# Altium PCB AD9361_EXT.PcbDoc (part 7 of 9) (continued)
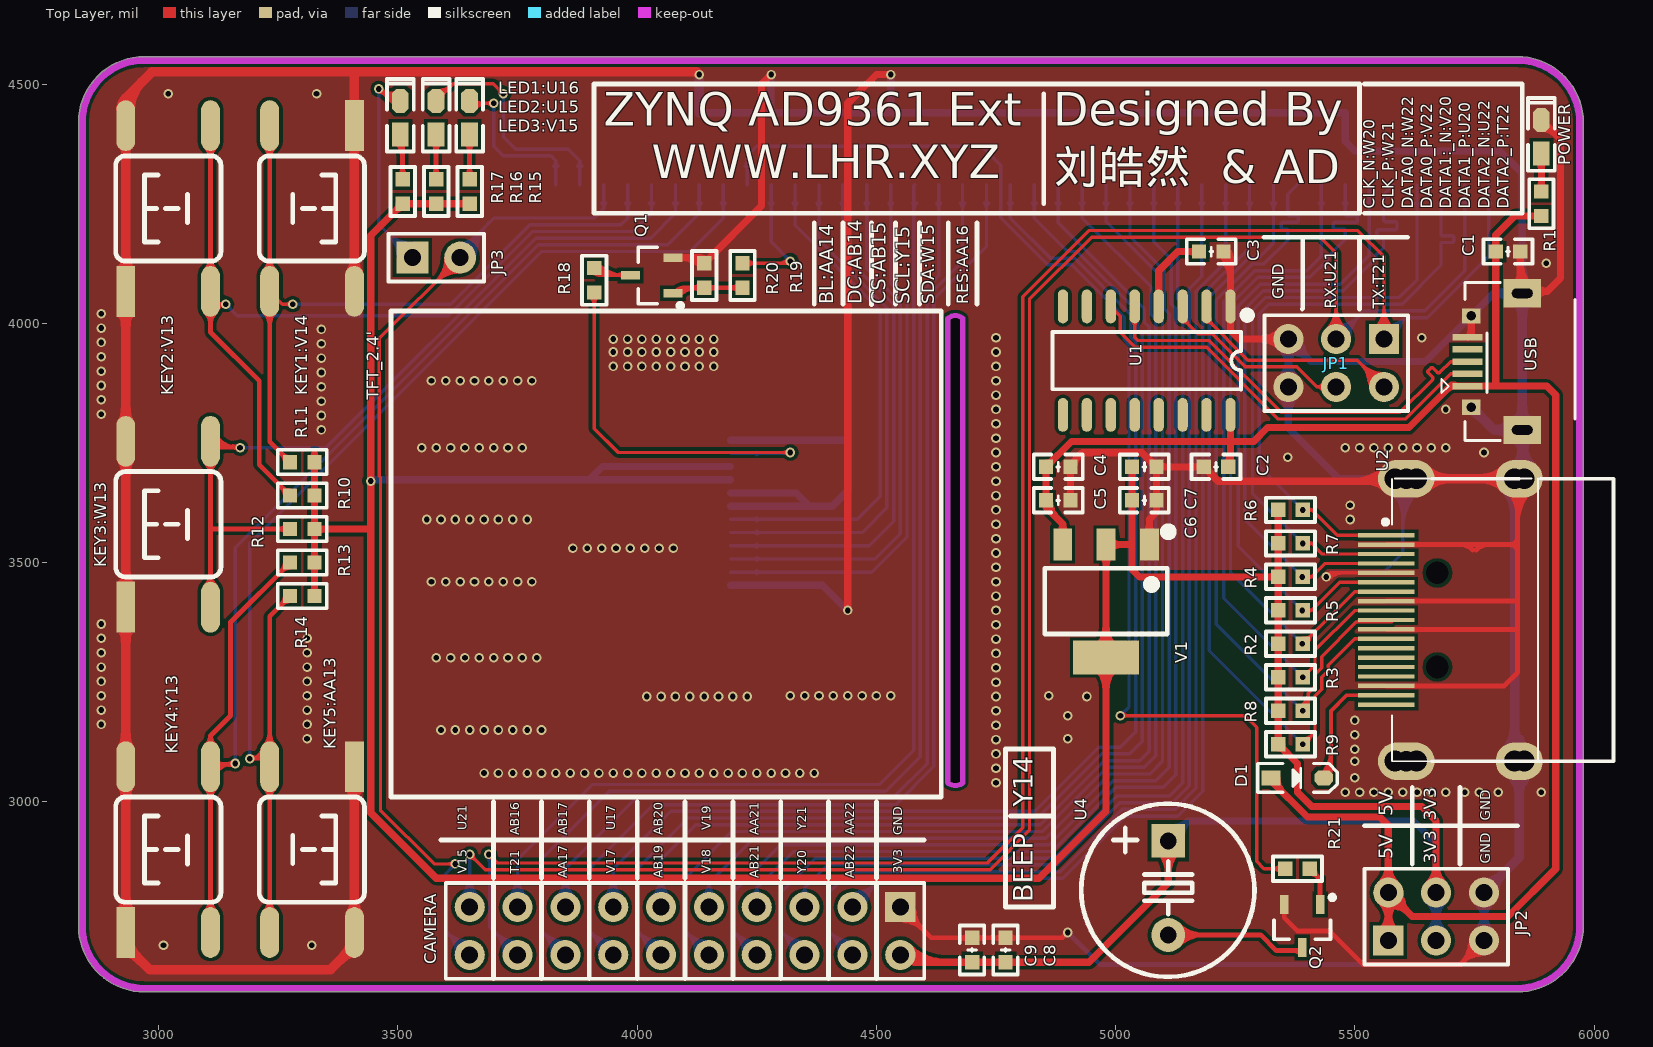
[diagram p0: Top Layer view]
## Nets (pads, with @x,y where several pads share a name; then routed paths per layer and width w, separated by ;. In a path a pad name is that pad's centre, name@x,y a point inside that pad or via, vN(x,y) a via of type N, cw(c..) or ccw(c..) an arc to the next point about the centre after c; other vN are vias at no path point) (continued)
  Top Layer w10: KEY3:W13.2@3108.17,3406.77 3108.17,3570 ; KEY3:W13.2@3108.17,3747.47 cw(c3132.53,3747.47) KEY3:W13.2@3115.3,3764.7 ; KEY3:W13.2@3108.17,3753.23 3108.17,3570 ; R12.1@3274.41,3570 3108.17,3570 ; KEY3:W13.2@3097.78,3450.62 ccw(c3072.71,3475.69) 3108.17,3475.69 ; KEY3:W13.2@3097.78,3450.62 ccw(c3072.71,3475.69) 3108.17,3475.69 ; KEY3:W13.2@3097.78,3450.62 ccw(c3072.71,3475.69) 3108.17,3475.69 ; KEY3:W13.2@3097.78,3450.62 ccw(c3072.71,3475.69) 3108.17,3475.69 ; KEY3:W13.2@3097.78,3709.38 cw(c3072.71,3684.31) 3108.17,3684.31 ; KEY3:W13.2@3097.78,3709.38 cw(c3072.71,3684.31) 3108.17,3684.31 ; KEY3:W13.2@3097.78,3709.38 cw(c3072.71,3684.31) 3108.17,3684.31 ; KEY3:W13.2@3097.78,3709.38 cw(c3072.71,3684.31) 3108.17,3684.31 ; KEY3:W13.2@3104.7,3764.7 cw(c3096.32,3756.32) KEY3:W13.2@3108.17,3756.32 ; KEY3:W13.2@3104.7,3764.7 cw(c3096.32,3756.32) KEY3:W13.2@3108.17,3756.32 ; KEY3:W13.2@3104.7,3764.7 cw(c3096.32,3756.32) KEY3:W13.2@3108.17,3756.32 ; KEY3:W13.2@3104.7,3764.7 cw(c3096.32,3756.32) KEY3:W13.2@3108.17,3756.32 ; 3108.17,3475.69 ccw(c3143.62,3475.69) KEY3:W13.2@3118.55,3450.62 ; 3108.17,3475.69 ccw(c3143.62,3475.69) KEY3:W13.2@3118.55,3450.62 ; 3108.17,3475.69 ccw(c3143.62,3475.69) KEY3:W13.2@3118.55,3450.62 ; 3108.17,3475.69 ccw(c3143.62,3475.69) KEY3:W13.2@3118.55,3450.62 ; 3108.17,3684.31 cw(c3143.62,3684.31) KEY3:W13.2@3118.55,3709.38 ; 3108.17,3684.31 cw(c3143.62,3684.31) KEY3:W13.2@3118.55,3709.38 ; 3108.17,3684.31 cw(c3143.62,3684.31) KEY3:W13.2@3118.55,3709.38 ; 3108.17,3684.31 cw(c3143.62,3684.31) KEY3:W13.2@3118.55,3709.38 ; 3250.26,3570 cw(c3250.26,3545.85) R12.1@3267.34,3562.93 ; 3250.26,3570 ccw(c3250.26,3594.14) R12.1@3267.34,3577.07 ; 3250.26,3570 cw(c3250.26,3545.85) R12.1@3267.34,3562.93 ; 3250.26,3570 ccw(c3250.26,3594.14) R12.1@3267.34,3577.07 ; 3250.26,3570 cw(c3250.26,3545.85) R12.1@3267.34,3562.93 ; 3250.26,3570 ccw(c3250.26,3594.14) R12.1@3267.34,3577.07 ; 3250.26,3570 cw(c3250.26,3545.85) R12.1@3267.34,3562.93 ; 3250.26,3570 ccw(c3250.26,3594.14) R12.1@3267.34,3577.07 ; 3250.26,3570 cw(c3250.26,3545.85) R12.1@3267.34,3562.93 ; 3250.26,3570 ccw(c3250.26,3594.14) R12.1@3267.34,3577.07 ; 3250.26,3570 cw(c3250.26,3545.85) R12.1@3267.34,3562.93 ; 3250.26,3570 ccw(c3250.26,3594.14) R12.1@3267.34,3577.07 ; KEY3:W13.2@3108.17,3753.13 cw(c3120.58,3753.13) 3113.99,3763.65 ccw(c3120.58,3753.13) KEY3:W13.2@3108.17,3753.13
  Bottom Layer w7: v1(3170,3740) 3349.6,3740 3787.6,4178 4028,4178 4080,4230 P1.12@4080,4290 ; v1@3174.6,3735.4 cw(c3185.69,3724.31) 3185.69,3740 ; v1@3174.6,3735.4 cw(c3185.69,3724.31) 3185.69,3740 ; v1@3174.6,3735.4 cw(c3185.69,3724.31) 3185.69,3740 ; v1@3174.6,3735.4 cw(c3185.69,3724.31) 3185.69,3740 ; v1@3174.6,3744.6 ccw(c3185.69,3755.69) 3185.69,3740 ; v1@3174.6,3744.6 ccw(c3185.69,3755.69) 3185.69,3740 ; v1@3174.6,3744.6 ccw(c3185.69,3755.69) 3185.69,3740 ; v1@3174.6,3744.6 ccw(c3185.69,3755.69) 3185.69,3740 ; P1.12@4075.52,4251.66 cw(c4064.69,4240.83) 4080,4240.83 ; P1.12@4075.52,4251.66 cw(c4064.69,4240.83) 4080,4240.83 ; P1.12@4075.52,4251.66 cw(c4064.69,4240.83) 4080,4240.83 ; P1.12@4075.52,4251.66 cw(c4064.69,4240.83) 4080,4240.83 ; 4080,4240.83 cw(c4095.31,4240.83) P1.12@4084.48,4251.66 ; 4080,4240.83 cw(c4095.31,4240.83) P1.12@4084.48,4251.66 ; 4080,4240.83 cw(c4095.31,4240.83) P1.12@4084.48,4251.66 ; 4080,4240.83 cw(c4095.31,4240.83) P1.12@4084.48,4251.66
KEY4: KEY4:Y13.2 P1.14 R13.1 | length 4534.7
  Top Layer w7: KEY4:Y13.2@3108.57,3080 v1(3160,3080) ; KEY4:Y13.2@3109.79,3071.76 cw(c3128.39,3054.88) 3128.39,3080 ; KEY4:Y13.2@3109.79,3071.76 cw(c3128.39,3054.88) 3128.39,3080 ; KEY4:Y13.2@3109.79,3071.76 cw(c3128.39,3054.88) 3128.39,3080 ; KEY4:Y13.2@3109.79,3071.76 cw(c3128.39,3054.88) 3128.39,3080 ; KEY4:Y13.2@3114.97,3067.06 cw(c3144.19,3040.54) 3144.19,3080 ; KEY4:Y13.2@3114.97,3067.06 cw(c3144.19,3040.54) 3144.19,3080 ; KEY4:Y13.2@3114.97,3067.06 cw(c3144.19,3040.54) 3144.19,3080 ; KEY4:Y13.2@3114.97,3067.06 cw(c3144.19,3040.54) 3144.19,3080 ; KEY4:Y13.2@3119.61,3084.67 ccw(c3130.89,3095.95) 3130.89,3080 ; KEY4:Y13.2@3119.61,3084.67 ccw(c3130.89,3095.95) 3130.89,3080 ; KEY4:Y13.2@3119.61,3084.67 ccw(c3130.89,3095.95) 3130.89,3080 ; KEY4:Y13.2@3119.61,3084.67 ccw(c3130.89,3095.95) 3130.89,3080 ; KEY4:Y13.2@3120.15,3062.35 cw(c3160,3026.2) v1(3160,3080) ; KEY4:Y13.2@3120.15,3062.35 cw(c3160,3026.2) v1(3160,3080) ; KEY4:Y13.2@3120.15,3062.35 cw(c3160,3026.2) v1(3160,3080) ; KEY4:Y13.2@3120.15,3062.35 cw(c3160,3026.2) v1(3160,3080) ; 3144.31,3080 cw(c3144.31,3064.31) v1@3155.4,3075.4 ; 3144.31,3080 ccw(c3144.31,3095.69) v1@3155.4,3084.6 ; 3144.31,3080 cw(c3144.31,3064.31) v1@3155.4,3075.4 ; 3144.31,3080 ccw(c3144.31,3095.69) v1@3155.4,3084.6 ; 3144.31,3080 cw(c3144.31,3064.31) v1@3155.4,3075.4 ; 3144.31,3080 ccw(c3144.31,3095.69) v1@3155.4,3084.6 ; 3144.31,3080 cw(c3144.31,3064.31) v1@3155.4,3075.4 ; 3144.31,3080 ccw(c3144.31,3095.69) v1@3155.4,3084.6 ; 3144.84,3075.94 cw(c3148.9,3060.78) v1@3156.75,3074.37 ; 3144.84,3075.94 ccw(c3140.78,3091.09) v1@3154.37,3083.25 ; 3144.84,3075.94 cw(c3148.9,3060.78) v1@3156.75,3074.37 ; 3144.84,3075.94 ccw(c3140.78,3091.09) v1@3154.37,3083.25 ; 3144.84,3075.94 cw(c3148.9,3060.78) v1@3156.75,3074.37 ; 3144.84,3075.94 ccw(c3140.78,3091.09) v1@3154.37,3083.25 ; 3144.84,3075.94 cw(c3148.9,3060.78) v1@3156.75,3074.37 ; 3144.84,3075.94 ccw(c3140.78,3091.09) v1@3154.37,3083.25 ; 3144.84,3075.94 cw(c3148.9,3060.78) v1@3156.75,3074.37 ; 3144.84,3075.94 ccw(c3140.78,3091.09) v1@3154.37,3083.25 ; 3144.84,3075.94 cw(c3148.9,3060.78) v1@3156.75,3074.37 ; 3144.84,3075.94 ccw(c3140.78,3091.09) v1@3154.37,3083.25 ; 3144.84,3075.94 cw(c3148.9,3060.78) v1@3156.75,3074.37 ; 3144.84,3075.94 ccw(c3140.78,3091.09) v1@3154.37,3083.25 ; 3144.84,3075.94 cw(c3148.9,3060.78) v1@3156.75,3074.37 ; 3144.84,3075.94 ccw(c3140.78,3091.09) v1@3154.37,3083.25 ; 3144.84,3075.94 cw(c3148.9,3060.78) v1@3156.75,3074.37 ; 3144.84,3075.94 ccw(c3140.78,3091.09) v1@3154.37,3083.25 ; 3144.84,3075.94 cw(c3148.9,3060.78) v1@3156.75,3074.37 ; 3144.84,3075.94 ccw(c3140.78,3091.09) v1@3154.37,3083.25
  Top Layer w10: KEY4:Y13.2@3104.7,3094.7 cw(c3096.32,3086.32) KEY4:Y13.2@3108.17,3086.32 ; KEY4:Y13.2@3108.17,2726.77 KEY4:Y13.2@3108.17,3073.23 3108.17,3138.17 ; R13.1@3274.41,3500 3150,3375.59 3150,3180 3108.17,3138.17 ; KEY4:Y13.2@3097.78,2770.62 ccw(c3072.71,2795.69) 3108.17,2795.69 ; KEY4:Y13.2@3097.78,2770.62 ccw(c3072.71,2795.69) 3108.17,2795.69 ; KEY4:Y13.2@3097.78,2770.62 ccw(c3072.71,2795.69) 3108.17,2795.69 ; KEY4:Y13.2@3097.78,2770.62 ccw(c3072.71,2795.69) 3108.17,2795.69 ; KEY4:Y13.2@3097.78,3029.38 cw(c3072.71,3004.31) 3108.17,3004.31 ; KEY4:Y13.2@3097.78,3029.38 cw(c3072.71,3004.31) 3108.17,3004.31 ; KEY4:Y13.2@3097.78,3029.38 cw(c3072.71,3004.31) 3108.17,3004.31 ; KEY4:Y13.2@3097.78,3029.38 cw(c3072.71,3004.31) 3108.17,3004.31 ; KEY4:Y13.2@3098.73,3117.95 ccw(c3081.78,3138.17) 3108.17,3138.17 ; KEY4:Y13.2@3098.73,3117.95 ccw(c3081.78,3138.17) 3108.17,3138.17 ; KEY4:Y13.2@3098.73,3117.95 ccw(c3081.78,3138.17) 3108.17,3138.17 ; KEY4:Y13.2@3098.73,3117.95 ccw(c3081.78,3138.17) 3108.17,3138.17 ; 3108.17,2795.69 ccw(c3143.62,2795.69) KEY4:Y13.2@3118.55,2770.62 ; 3108.17,2795.69 ccw(c3143.62,2795.69) KEY4:Y13.2@3118.55,2770.62 ; 3108.17,2795.69 ccw(c3143.62,2795.69) KEY4:Y13.2@3118.55,2770.62 ; 3108.17,2795.69 ccw(c3143.62,2795.69) KEY4:Y13.2@3118.55,2770.62 ; 3108.17,3004.31 cw(c3143.62,3004.31) KEY4:Y13.2@3118.55,3029.38 ; 3108.17,3004.31 cw(c3143.62,3004.31) KEY4:Y13.2@3118.55,3029.38 ; 3108.17,3004.31 cw(c3143.62,3004.31) KEY4:Y13.2@3118.55,3029.38 ; 3108.17,3004.31 cw(c3143.62,3004.31) KEY4:Y13.2@3118.55,3029.38 ; 3108.17,3138.17 ccw(c3134.55,3138.17) KEY4:Y13.2@3117.6,3117.95 ; 3108.17,3138.17 ccw(c3134.55,3138.17) KEY4:Y13.2@3117.6,3117.95 ; 3108.17,3138.17 ccw(c3134.55,3138.17) KEY4:Y13.2@3117.6,3117.95 ; 3108.17,3138.17 ccw(c3134.55,3138.17) KEY4:Y13.2@3117.6,3117.95 ; 3257.34,3482.93 cw(c3274.41,3465.85) R13.1@3274.41,3490 ; 3257.34,3482.93 ccw(c3240.26,3500) R13.1@3264.41,3500 ; 3257.34,3482.93 cw(c3274.41,3465.85) R13.1@3274.41,3490 ; 3257.34,3482.93 ccw(c3240.26,3500) R13.1@3264.41,3500 ; 3257.34,3482.93 cw(c3274.41,3465.85) R13.1@3274.41,3490 ; 3257.34,3482.93 ccw(c3240.26,3500) R13.1@3264.41,3500 ; 3257.34,3482.93 cw(c3274.41,3465.85) R13.1@3274.41,3490 ; 3257.34,3482.93 ccw(c3240.26,3500) R13.1@3264.41,3500 ; KEY4:Y13.2@3104.7,3105.3 ccw(c3096.32,3113.68) 3108.17,3113.68 cw(c3096.32,3113.68) KEY4:Y13.2@3104.7,3105.3 ; KEY4:Y13.2@3108.17,3077.47 cw(c3132.53,3077.47) 3115.3,3094.7 ccw(c3132.53,3077.47) KEY4:Y13.2@3108.17,3077.47 ; KEY4:Y13.2@3108.17,3122.53 ccw(c3132.53,3122.53) 3115.3,3105.3 cw(c3132.53,3122.53) KEY4:Y13.2@3108.17,3122.53
  Bottom Layer w7: v1(3160,3080) 3160,3530.6 3793.4,4164 4064,4164 4130,4230 P1.14@4130,4290 ; v1@3155.4,3084.6 ccw(c3144.31,3095.69) 3160,3095.69 ; v1@3155.4,3084.6 ccw(c3144.31,3095.69) 3160,3095.69 ; v1@3155.4,3084.6 ccw(c3144.31,3095.69) 3160,3095.69 ; v1@3155.4,3084.6 ccw(c3144.31,3095.69) 3160,3095.69 ; 3160,3095.69 ccw(c3175.69,3095.69) v1@3164.6,3084.6 ; 3160,3095.69 ccw(c3175.69,3095.69) v1@3164.6,3084.6 ; 3160,3095.69 ccw(c3175.69,3095.69) v1@3164.6,3084.6 ; 3160,3095.69 ccw(c3175.69,3095.69) v1@3164.6,3084.6 ; P1.14@4125.52,4251.66 cw(c4114.69,4240.83) 4130,4240.83 ; P1.14@4125.52,4251.66 cw(c4114.69,4240.83) 4130,4240.83 ; P1.14@4125.52,4251.66 cw(c4114.69,4240.83) 4130,4240.83 ; P1.14@4125.52,4251.66 cw(c4114.69,4240.83) 4130,4240.83 ; 4130,4240.83 cw(c4145.31,4240.83) P1.14@4134.48,4251.66 ; 4130,4240.83 cw(c4145.31,4240.83) P1.14@4134.48,4251.66 ; 4130,4240.83 cw(c4145.31,4240.83) P1.14@4134.48,4251.66 ; 4130,4240.83 cw(c4145.31,4240.83) P1.14@4134.48,4251.66
KEY5: KEY5:AA13.2 P1.16 R14.1 | length 4712.2
  Top Layer w7: KEY5:AA13.2@3229.36,3090 v1(3190,3090) ; v1(3190,3090) ccw(c3190,3116.87) KEY5:AA13.2@3216.11,3110.52 ; v1(3190,3090) ccw(c3190,3116.87) KEY5:AA13.2@3216.11,3110.52 ; v1(3190,3090) ccw(c3190,3116.87) KEY5:AA13.2@3216.11,3110.52 ; v1(3190,3090) ccw(c3190,3116.87) KEY5:AA13.2@3216.11,3110.52 ; v1@3193.74,3095.32 ccw(c3200.42,3104.83) 3203.43,3093.6 ; v1@3193.74,3095.32 ccw(c3200.42,3104.83) 3203.43,3093.6 ; v1@3193.74,3095.32 ccw(c3200.42,3104.83) 3203.43,3093.6 ; v1@3193.74,3095.32 ccw(c3200.42,3104.83) 3203.43,3093.6 ; v1@3193.74,3095.32 ccw(c3200.42,3104.83) 3203.43,3093.6 ; v1@3193.74,3095.32 ccw(c3200.42,3104.83) 3203.43,3093.6 ; v1@3193.74,3095.32 ccw(c3200.42,3104.83) 3203.43,3093.6 ; v1@3193.74,3095.32 ccw(c3200.42,3104.83) 3203.43,3093.6 ; v1@3193.74,3095.32 ccw(c3200.42,3104.83) 3203.43,3093.6 ; v1@3193.74,3095.32 ccw(c3200.42,3104.83) 3203.43,3093.6 ; v1@3194.06,3095.07 ccw(c3203.5,3106.85) 3207.4,3092.28 ; v1@3194.06,3095.07 ccw(c3203.5,3106.85) 3207.4,3092.28 ; v1@3194.06,3095.07 ccw(c3203.5,3106.85) 3207.4,3092.28 ; v1@3194.06,3095.07 ccw(c3203.5,3106.85) 3207.4,3092.28 ; v1@3194.06,3095.07 ccw(c3203.5,3106.85) 3207.4,3092.28 ; v1@3194.06,3095.07 ccw(c3203.5,3106.85) 3207.4,3092.28 ; v1@3194.06,3095.07 ccw(c3203.5,3106.85) 3207.4,3092.28 ; v1@3194.06,3095.07 ccw(c3203.5,3106.85) 3207.4,3092.28 ; v1@3194.06,3095.07 ccw(c3203.5,3106.85) 3207.4,3092.28 ; v1@3194.06,3095.07 ccw(c3203.5,3106.85) 3207.4,3092.28 ; v1@3194.6,3085.4 cw(c3205.69,3074.31) 3205.69,3090 ; v1@3194.6,3085.4 cw(c3205.69,3074.31) 3205.69,3090 ; v1@3194.6,3085.4 cw(c3205.69,3074.31) 3205.69,3090 ; v1@3194.6,3085.4 cw(c3205.69,3074.31) 3205.69,3090 ; v1@3194.6,3094.6 ccw(c3205.69,3105.69) 3205.69,3090 ; v1@3194.6,3094.6 ccw(c3205.69,3105.69) 3205.69,3090 ; v1@3194.6,3094.6 ccw(c3205.69,3105.69) 3205.69,3090 ; v1@3194.6,3094.6 ccw(c3205.69,3105.69) 3205.69,3090 ; v1@3195.63,3086.75 cw(c3202.4,3082.84) 3200.38,3090.39 ; v1@3195.63,3086.75 cw(c3202.4,3082.84) 3200.38,3090.39 ; v1@3195.63,3086.75 cw(c3202.4,3082.84) 3200.38,3090.39 ; v1@3195.63,3086.75 cw(c3202.4,3082.84) 3200.38,3090.39 ; v1@3195.63,3086.75 cw(c3202.4,3082.84) 3200.38,3090.39 ; v1@3195.63,3086.75 cw(c3202.4,3082.84) 3200.38,3090.39 ; v1@3195.63,3086.75 cw(c3202.4,3082.84) 3200.38,3090.39 ; v1@3195.63,3086.75 cw(c3202.4,3082.84) 3200.38,3090.39 ; v1@3195.63,3086.75 cw(c3202.4,3082.84) 3200.38,3090.39 ; v1@3195.63,3086.75 cw(c3202.4,3082.84) 3200.38,3090.39 ; v1@3195.9,3087.26 cw(c3206.44,3082.37) 3203.43,3093.6 ; v1@3195.9,3087.26 cw(c3206.44,3082.37) 3203.43,3093.6 ; v1@3195.9,3087.26 cw(c3206.44,3082.37) 3203.43,3093.6 ; v1@3195.9,3087.26 cw(c3206.44,3082.37) 3203.43,3093.6 ; v1@3195.9,3087.26 cw(c3206.44,3082.37) 3203.43,3093.6 ; v1@3195.9,3087.26 cw(c3206.44,3082.37) 3203.43,3093.6 ; v1@3195.9,3087.26 cw(c3206.44,3082.37) 3203.43,3093.6 ; v1@3195.9,3087.26 cw(c3206.44,3082.37) 3203.43,3093.6 ; v1@3195.9,3087.26 cw(c3206.44,3082.37) 3203.43,3093.6 ; v1@3195.9,3087.26 cw(c3206.44,3082.37) 3203.43,3093.6 ; v1@3198.91,3090 ccw(c3198.91,3114.7) KEY5:AA13.2@3222.91,3108.86 ; v1@3198.91,3090 ccw(c3198.91,3114.7) KEY5:AA13.2@3222.91,3108.86 ; v1@3198.91,3090 ccw(c3198.91,3114.7) KEY5:AA13.2@3222.91,3108.86 ; v1@3198.91,3090 ccw(c3198.91,3114.7) KEY5:AA13.2@3222.91,3108.86 ; 3207.81,3090 ccw(c3207.81,3112.53) KEY5:AA13.2@3229.71,3107.21 ; 3207.81,3090 ccw(c3207.81,3112.53) KEY5:AA13.2@3229.71,3107.21 ; 3207.81,3090 ccw(c3207.81,3112.53) KEY5:AA13.2@3229.71,3107.21 ; 3207.81,3090 ccw(c3207.81,3112.53) KEY5:AA13.2@3229.71,3107.21 ; KEY5:AA13.2@3214.4,3091.76 ccw(c3208.81,3112.62) KEY5:AA13.2@3229.72,3107.24 ; KEY5:AA13.2@3214.4,3091.76 ccw(c3208.81,3112.62) KEY5:AA13.2@3229.72,3107.24 ; KEY5:AA13.2@3214.4,3091.76 ccw(c3208.81,3112.62) KEY5:AA13.2@3229.72,3107.24 ; KEY5:AA13.2@3214.4,3091.76 ccw(c3208.81,3112.62) KEY5:AA13.2@3229.72,3107.24 ; KEY5:AA13.2@3214.4,3091.76 ccw(c3208.81,3112.62) KEY5:AA13.2@3229.72,3107.24 ; KEY5:AA13.2@3214.4,3091.76 ccw(c3208.81,3112.62) KEY5:AA13.2@3229.72,3107.24 ; KEY5:AA13.2@3216.72,3090 ccw(c3216.72,3110.37) KEY5:AA13.2@3236.51,3105.56 ; KEY5:AA13.2@3216.72,3090 ccw(c3216.72,3110.37) KEY5:AA13.2@3236.51,3105.56 ; KEY5:AA13.2@3216.72,3090 ccw(c3216.72,3110.37) KEY5:AA13.2@3236.51,3105.56 ; KEY5:AA13.2@3216.72,3090 ccw(c3216.72,3110.37) KEY5:AA13.2@3236.51,3105.56
  Top Layer w10: KEY5:AA13.2@3231.83,2726.77 KEY5:AA13.2@3231.83,3073.23 3231.83,3387.42 R14.1@3274.41,3430 ; KEY5:AA13.2@3221.45,2770.62 ccw(c3196.38,2795.69) 3231.83,2795.69 ; KEY5:AA13.2@3221.45,2770.62 ccw(c3196.38,2795.69) 3231.83,2795.69 ; KEY5:AA13.2@3221.45,2770.62 ccw(c3196.38,2795.69) 3231.83,2795.69 ; KEY5:AA13.2@3221.45,2770.62 ccw(c3196.38,2795.69) 3231.83,2795.69 ; KEY5:AA13.2@3221.45,3029.38 cw(c3196.38,3004.31) 3231.83,3004.31 ; KEY5:AA13.2@3221.45,3029.38 cw(c3196.38,3004.31) 3231.83,3004.31 ; KEY5:AA13.2@3221.45,3029.38 cw(c3196.38,3004.31) 3231.83,3004.31 ; KEY5:AA13.2@3221.45,3029.38 cw(c3196.38,3004.31) 3231.83,3004.31 ; KEY5:AA13.2@3221.45,3117.08 ccw(c3196.38,3142.15) 3231.83,3142.15 ; KEY5:AA13.2@3221.45,3117.08 ccw(c3196.38,3142.15) 3231.83,3142.15 ; KEY5:AA13.2@3221.45,3117.08 ccw(c3196.38,3142.15) 3231.83,3142.15 ; KEY5:AA13.2@3221.45,3117.08 ccw(c3196.38,3142.15) 3231.83,3142.15 ; 3231.83,2795.69 ccw(c3267.29,2795.69) KEY5:AA13.2@3242.22,2770.62 ; 3231.83,2795.69 ccw(c3267.29,2795.69) KEY5:AA13.2@3242.22,2770.62 ; 3231.83,2795.69 ccw(c3267.29,2795.69) KEY5:AA13.2@3242.22,2770.62 ; 3231.83,2795.69 ccw(c3267.29,2795.69) KEY5:AA13.2@3242.22,2770.62 ; 3231.83,3004.31 cw(c3267.29,3004.31) KEY5:AA13.2@3242.22,3029.38 ; 3231.83,3004.31 cw(c3267.29,3004.31) KEY5:AA13.2@3242.22,3029.38 ; 3231.83,3004.31 cw(c3267.29,3004.31) KEY5:AA13.2@3242.22,3029.38 ; 3231.83,3004.31 cw(c3267.29,3004.31) KEY5:AA13.2@3242.22,3029.38 ; 3231.83,3142.15 ccw(c3267.29,3142.15) KEY5:AA13.2@3242.22,3117.08 ; 3231.83,3142.15 ccw(c3267.29,3142.15) KEY5:AA13.2@3242.22,3117.08 ; 3231.83,3142.15 ccw(c3267.29,3142.15) KEY5:AA13.2@3242.22,3117.08 ; 3231.83,3142.15 ccw(c3267.29,3142.15) KEY5:AA13.2@3242.22,3117.08 ; 3257.34,3412.93 cw(c3274.41,3395.85) R14.1@3274.41,3420 ; 3257.34,3412.93 ccw(c3240.26,3430) R14.1@3264.41,3430 ; 3257.34,3412.93 cw(c3274.41,3395.85) R14.1@3274.41,3420 ; 3257.34,3412.93 ccw(c3240.26,3430) R14.1@3264.41,3430 ; 3257.34,3412.93 cw(c3274.41,3395.85) R14.1@3274.41,3420 ; 3257.34,3412.93 ccw(c3240.26,3430) R14.1@3264.41,3430 ; 3257.34,3412.93 cw(c3274.41,3395.85) R14.1@3274.41,3420 ; 3257.34,3412.93 ccw(c3240.26,3430) R14.1@3264.41,3430
  Bottom Layer w7: v1(3190,3090) 3190,3540.8 3799.2,4150 4110,4150 4180,4220 P1.16@4180,4290 ; v1@3185.4,3094.6 ccw(c3174.31,3105.69) 3190,3105.69 ; v1@3185.4,3094.6 ccw(c3174.31,3105.69) 3190,3105.69 ; v1@3185.4,3094.6 ccw(c3174.31,3105.69) 3190,3105.69 ; v1@3185.4,3094.6 ccw(c3174.31,3105.69) 3190,3105.69 ; 3190,3105.69 ccw(c3205.69,3105.69) v1@3194.6,3094.6 ; 3190,3105.69 ccw(c3205.69,3105.69) v1@3194.6,3094.6 ; 3190,3105.69 ccw(c3205.69,3105.69) v1@3194.6,3094.6 ; 3190,3105.69 ccw(c3205.69,3105.69) v1@3194.6,3094.6 ; P1.16@4175.52,4251.66 cw(c4164.69,4240.83) 4180,4240.83 ; P1.16@4175.52,4251.66 cw(c4164.69,4240.83) 4180,4240.83 ; P1.16@4175.52,4251.66 cw(c4164.69,4240.83) 4180,4240.83 ; P1.16@4175.52,4251.66 cw(c4164.69,4240.83) 4180,4240.83 ; 4180,4240.83 cw(c4195.31,4240.83) P1.16@4184.48,4251.66 ; 4180,4240.83 cw(c4195.31,4240.83) P1.16@4184.48,4251.66 ; 4180,4240.83 cw(c4195.31,4240.83) P1.16@4184.48,4251.66 ; 4180,4240.83 cw(c4195.31,4240.83) P1.16@4184.48,4251.66
LCD_CS: P1.24 TFT_2.4'.8 | length 1245.2
  Bottom Layer w7: TFT_2.4'.8@4195,3562.68 4470,3562.68 4522,3614.68 4522,4032.6 4380,4174.6 P1.24@4380,4290 ; TFT_2.4'.8@4249.27,3559.58 cw(c4256.74,3552.12) 4256.74,3562.68 ; TFT_2.4'.8@4249.27,3559.58 cw(c4256.74,3552.12) 4256.74,3562.68 ; TFT_2.4'.8@4249.27,3559.58 cw(c4256.74,3552.12) 4256.74,3562.68 ; TFT_2.4'.8@4249.27,3559.58 cw(c4256.74,3552.12) 4256.74,3562.68 ; TFT_2.4'.8@4249.27,3565.77 ccw(c4256.74,3573.24) 4256.74,3562.68 ; TFT_2.4'.8@4249.27,3565.77 ccw(c4256.74,3573.24) 4256.74,3562.68 ; TFT_2.4'.8@4249.27,3565.77 ccw(c4256.74,3573.24) 4256.74,3562.68 ; TFT_2.4'.8@4249.27,3565.77 ccw(c4256.74,3573.24) 4256.74,3562.68 ; P1.24@4375.52,4251.66 cw(c4364.69,4240.83) 4380,4240.83 ; P1.24@4375.52,4251.66 cw(c4364.69,4240.83) 4380,4240.83 ; P1.24@4375.52,4251.66 cw(c4364.69,4240.83) 4380,4240.83 ; P1.24@4375.52,4251.66 cw(c4364.69,4240.83) 4380,4240.83 ; 4380,4240.83 cw(c4395.31,4240.83) P1.24@4384.48,4251.66 ; 4380,4240.83 cw(c4395.31,4240.83) P1.24@4384.48,4251.66 ; 4380,4240.83 cw(c4395.31,4240.83) P1.24@4384.48,4251.66 ; 4380,4240.83 cw(c4395.31,4240.83) P1.24@4384.48,4251.66
LCD_D/C: P1.22 TFT_2.4'.7 | length 1220.9
  Bottom Layer w7: TFT_2.4'.7@4195,3590.24 4460,3590.24 4508,3638.24 4508,4026.8 4330,4204.8 P1.22@4330,4290 ; TFT_2.4'.7@4249.27,3587.14 cw(c4256.74,3579.68) 4256.74,3590.24 ; TFT_2.4'.7@4249.27,3587.14 cw(c4256.74,3579.68) 4256.74,3590.24 ; TFT_2.4'.7@4249.27,3587.14 cw(c4256.74,3579.68) 4256.74,3590.24 ; TFT_2.4'.7@4249.27,3587.14 cw(c4256.74,3579.68) 4256.74,3590.24 ; TFT_2.4'.7@4249.27,3593.33 ccw(c4256.74,3600.8) 4256.74,3590.24 ; TFT_2.4'.7@4249.27,3593.33 ccw(c4256.74,3600.8) 4256.74,3590.24 ; TFT_2.4'.7@4249.27,3593.33 ccw(c4256.74,3600.8) 4256.74,3590.24 ; TFT_2.4'.7@4249.27,3593.33 ccw(c4256.74,3600.8) 4256.74,3590.24 ; P1.22@4325.52,4251.66 cw(c4314.69,4240.83) 4330,4240.83 ; P1.22@4325.52,4251.66 cw(c4314.69,4240.83) 4330,4240.83 ; P1.22@4325.52,4251.66 cw(c4314.69,4240.83) 4330,4240.83 ; P1.22@4325.52,4251.66 cw(c4314.69,4240.83) 4330,4240.83 ; 4330,4240.83 cw(c4345.31,4240.83) P1.22@4334.48,4251.66 ; 4330,4240.83 cw(c4345.31,4240.83) P1.22@4334.48,4251.66 ; 4330,4240.83 cw(c4345.31,4240.83) P1.22@4334.48,4251.66 ; 4330,4240.83 cw(c4345.31,4240.83) P1.22@4334.48,4251.66
LCD_LEDK: P1.20 R19.2 | length 787.8
  Top Layer w7: R19.2@4220,4125.59 4315.59,4125.59 v1(4320,4130) ; R19.2@4228.13,4117.46 cw(c4247.77,4097.82) 4247.77,4125.59 ; R19.2@4228.13,4117.46 cw(c4247.77,4097.82) 4247.77,4125.59 ; R19.2@4228.13,4117.46 cw(c4247.77,4097.82) 4247.77,4125.59 ; R19.2@4228.13,4117.46 cw(c4247.77,4097.82) 4247.77,4125.59 ; R19.2@4228.13,4133.72 ccw(c4247.77,4153.35) 4247.77,4125.59 ; R19.2@4228.13,4133.72 ccw(c4247.77,4153.35) 4247.77,4125.59 ; R19.2@4228.13,4133.72 ccw(c4247.77,4153.35) 4247.77,4125.59 ; R19.2@4228.13,4133.72 ccw(c4247.77,4153.35) 4247.77,4125.59 ; 4293.65,4125.59 ccw(c4293.65,4156.35) v1@4315.4,4134.6 ; 4293.65,4125.59 ccw(c4293.65,4156.35) v1@4315.4,4134.6 ; 4293.65,4125.59 ccw(c4293.65,4156.35) v1@4315.4,4134.6 ; 4293.65,4125.59 ccw(c4293.65,4156.35) v1@4315.4,4134.6 ; 4310.55,4125.59 ccw(c4310.55,4139.45) v1@4320.35,4129.65 ; 4310.55,4125.59 ccw(c4310.55,4139.45) v1@4320.35,4129.65 ; 4310.55,4125.59 ccw(c4310.55,4139.45) v1@4320.35,4129.65 ; 4310.55,4125.59 ccw(c4310.55,4139.45) v1@4320.35,4129.65
  Bottom Layer w7: P1.20@4280,4290 4280,4170 v1(4320,4130) ; P1.20@4275.52,4251.66 cw(c4264.69,4240.83) 4280,4240.83 ; P1.20@4275.52,4251.66 cw(c4264.69,4240.83) 4280,4240.83 ; P1.20@4275.52,4251.66 cw(c4264.69,4240.83) 4280,4240.83 ; P1.20@4275.52,4251.66 cw(c4264.69,4240.83) 4280,4240.83 ; 4280,4240.83 cw(c4295.31,4240.83) P1.20@4284.48,4251.66 ; 4280,4240.83 cw(c4295.31,4240.83) P1.20@4284.48,4251.66 ; 4280,4240.83 cw(c4295.31,4240.83) P1.20@4284.48,4251.66 ; 4280,4240.83 cw(c4295.31,4240.83) P1.20@4284.48,4251.66 ; 4308.9,4141.1 cw(c4297.81,4130) v1@4313.5,4130 ; 4308.9,4141.1 ccw(c4320,4152.19) v1@4320,4136.5 ; 4308.9,4141.1 cw(c4297.81,4130) v1@4313.5,4130 ; 4308.9,4141.1 ccw(c4320,4152.19) v1@4320,4136.5 ; 4308.9,4141.1 cw(c4297.81,4130) v1@4313.5,4130 ; 4308.9,4141.1 ccw(c4320,4152.19) v1@4320,4136.5 ; 4308.9,4141.1 cw(c4297.81,4130) v1@4313.5,4130 ; 4308.9,4141.1 ccw(c4320,4152.19) v1@4320,4136.5
LCD_RES: P1.30 TFT_2.4'.11 | length 1312.3
  Bottom Layer w7: TFT_2.4'.11@4195,3480 4490,3480 4564,3554 4564,4050 4530,4084 P1.30@4530,4290 ; TFT_2.4'.11@4249.27,3476.91 cw(c4256.74,3469.44) 4256.74,3480 ; TFT_2.4'.11@4249.27,3476.91 cw(c4256.74,3469.44) 4256.74,3480 ; TFT_2.4'.11@4249.27,3476.91 cw(c4256.74,3469.44) 4256.74,3480 ; TFT_2.4'.11@4249.27,3476.91 cw(c4256.74,3469.44) 4256.74,3480 ; TFT_2.4'.11@4249.27,3483.09 ccw(c4256.74,3490.56) 4256.74,3480 ; TFT_2.4'.11@4249.27,3483.09 ccw(c4256.74,3490.56) 4256.74,3480 ; TFT_2.4'.11@4249.27,3483.09 ccw(c4256.74,3490.56) 4256.74,3480 ; TFT_2.4'.11@4249.27,3483.09 ccw(c4256.74,3490.56) 4256.74,3480 ; P1.30@4525.52,4251.66 cw(c4514.69,4240.83) 4530,4240.83 ; P1.30@4525.52,4251.66 cw(c4514.69,4240.83) 4530,4240.83 ; P1.30@4525.52,4251.66 cw(c4514.69,4240.83) 4530,4240.83 ; P1.30@4525.52,4251.66 cw(c4514.69,4240.83) 4530,4240.83 ; 4530,4240.83 cw(c4545.31,4240.83) P1.30@4534.48,4251.66 ; 4530,4240.83 cw(c4545.31,4240.83) P1.30@4534.48,4251.66 ; 4530,4240.83 cw(c4545.31,4240.83) P1.30@4534.48,4251.66 ; 4530,4240.83 cw(c4545.31,4240.83) P1.30@4534.48,4251.66